# Altium PCB SOM_MCU_dual.PcbDoc (part 2 of 2)
Units mil, origin at the board's own origin, x right, y up, seen from the top; angles counter-clockwise.
Board outline 3385.83 x 1811.02 mil, 4 copper layers (Top Layer, Mid-Layer 1, Mid-Layer 3, Bottom Layer); 105 components, 124 nets, 1078 pads, 367 vias.
Unrouted connection lines stored in the file: 107.
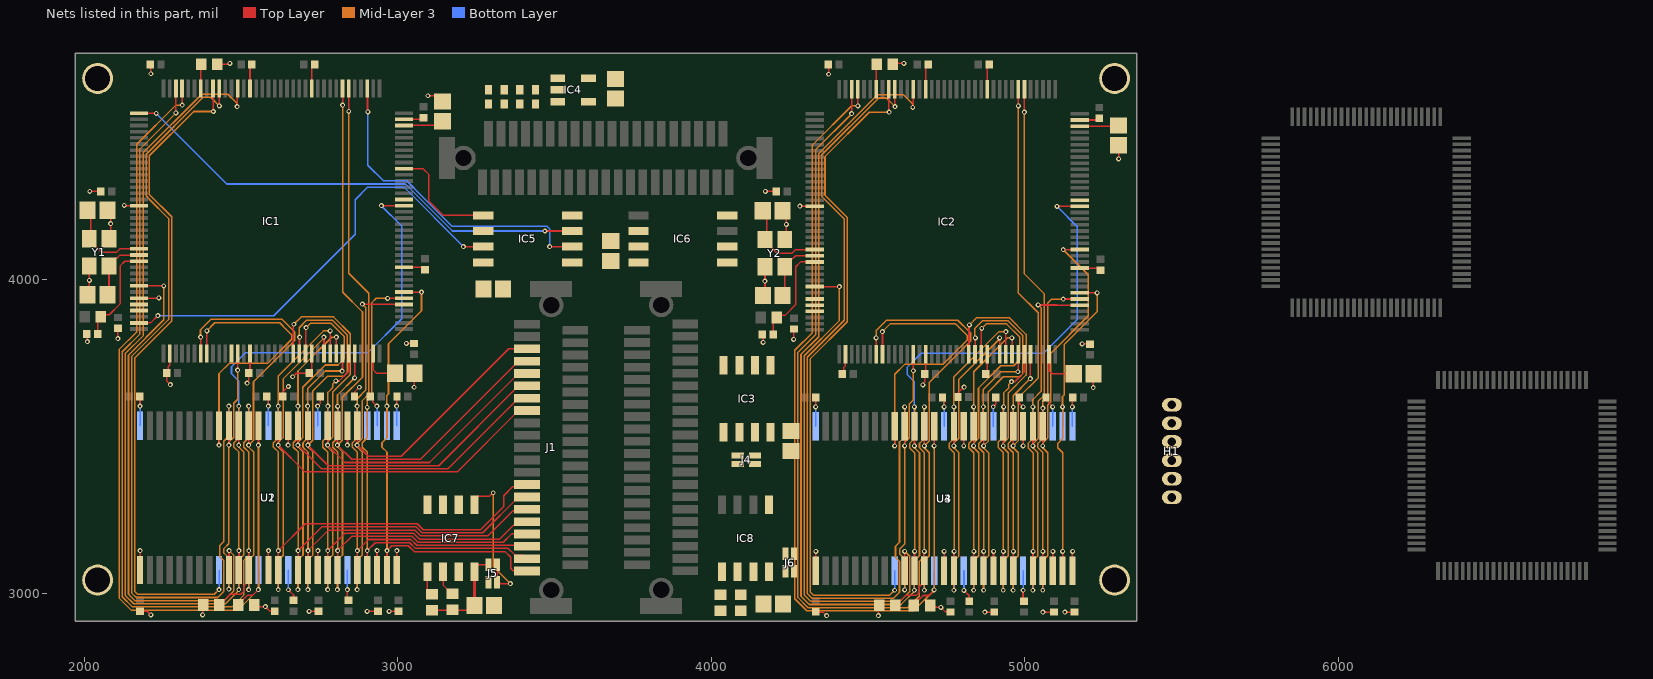
[diagram p3: the nets of this part, all layers, seen from the top]

## Via types
v1: diameter 15.75, hole 7.87, Top Layer to Bottom Layer, tented both sides, 210 vias
v2: diameter 15.75, hole 7.87, Top Layer to Bottom Layer, 157 vias

## Nets (pads, with @x,y where several pads share a name; then routed paths per layer and width w, separated by ;. In a path a pad name is that pad's centre, name@x,y a point inside that pad or via, vN(x,y) a via of type N, cw(c..) or ccw(c..) an arc to the next point about the centre after c; other vN are vias at no path point) (continued)
D1_1: IC2.86 U3.4 U4.4 | length 1368.9
  Top Layer w5: v1@5058.33,3469.93 U3.4@5058.33,3531.83 ; v2@5123.68,4095.63 IC2.86@5175.96,4095.63
  Mid-Layer 3 w5: v1(5058.08,3009.05) 5058.08,3102.74 5074.2,3118.86 5074.2,3447.6 5058.08,3463.72 v1(5058.08,3469.68) 5058.08,3478.6 5074.2,3494.72 5074.2,3600.23 5083.37,3609.39 5083.37,3764.37 5203.37,3884.37 5203.37,4015.47 v2(5123.44,4095.39)
  Bottom Layer w5: v1@5058.33,3009.3 U4.4@5058.33,3071.14
D2: IC1.114 J1.37 U1.5 U2.5 | length 2475.4
  Top Layer w5: v2@2843.98,4536.77 IC1.114@2843.98,4609.37 ; v1@2871.38,3472.17 2871.13,3472.42 2871.13,3533.77 U1.5@2871.38,3534.02 ; v1@2871.87,3472.17 2871.87,3471.19 2906.51,3436.55 3011.77,3436.55 3354.83,3779.61 J1.37@3412.91,3779.61
  Mid-Layer 3 w5: v2(2844.06,4536.69) 2844.06,4020.47 2907.91,3956.61 2907.91,3634.13 2887.75,3613.96 2887.75,3494.24 2871.13,3477.63 v1(2871.13,3471.93) 2871.13,3465.96 2887.26,3449.84 2887.26,3121.1 2871.13,3104.98 v1(2871.13,3011.3)
  Bottom Layer w5: v1@2871.38,3011.54 U2.5@2871.38,3073.39
D3: IC1.115 J1.35 U1.7 U2.7 | length 2546.4
  Top Layer w5: U1.7@2808.14,3533.28 2808.14,3472.91 v1@2808.88,3472.17 ; v1@2808.39,3471.68 2853.51,3426.55 3072.85,3426.55 3385.91,3739.61 J1.35@3412.91,3739.61 ; v2@2824.45,4556.93 IC1.115@2824.45,4609.21
  Mid-Layer 3 w5: v1(2808.14,3011.3) 2808.14,3104.98 2824.26,3121.1 2824.26,3449.84 2808.14,3465.96 v1(2808.14,3471.93) 2823.76,3487.55 2823.76,3624.54 2887.91,3688.69 2887.91,3896.61 2824.69,3959.84 v2(2824.69,4556.69)
  Bottom Layer w5: v1@2808.39,3011.54 U2.7@2808.39,3073.39
D4: IC1.58 J1.33 U1.8 U2.8 | length 2066.4
  Top Layer w5: IC1.58@2666.97,3763.7 2667.36,3764.09 2667.36,3856.06 v2(2668.78,3857.49) ; v1(2776.64,3471.93) 2832.02,3416.55 3101.85,3416.55 3385.91,3700.61 J1.33@3412.91,3700.61 ; U1.8@2776.64,3533.28 2776.64,3472.91 v1@2777.38,3472.17
  Mid-Layer 3 w5: v2(2668.78,3857.49) 2692.23,3880.93 2795.5,3880.93 2849.28,3827.15 2849.28,3697.63 2793.02,3641.36 2793.02,3498.08 2776.64,3481.71 v1(2776.64,3471.93) 2776.64,3465.96 2792.77,3449.84 2792.77,3121.1 2776.64,3104.98 v1(2776.64,3011.3)
  Bottom Layer w5: v1@2776.89,3011.54 U2.8@2776.89,3073.39
D5: IC1.59 J1.31 U1.10 U2.10 | length 2130.3
  Top Layer w5: IC1.59@2686.5,3763.86 2687.07,3764.43 2687.07,3815.81 v2(2687.64,3816.38) ; U1.10@2713.9,3534.02 2713.65,3533.77 v1(2713.65,3471.93) 2779.03,3406.55 3130.85,3406.55 3385.91,3661.61 J1.31@3412.91,3661.61
  Mid-Layer 3 w5: v2(2687.64,3816.38) 2686.26,3817.76 2686.26,3846.7 2710.49,3870.93 2791.36,3870.93 2839.28,3823.01 2839.28,3702.58 2828.83,3692.13 2776.91,3692.13 2729.36,3644.58 2729.36,3487.64 v1(2713.65,3471.93) 2713.65,3465.96 2729.77,3449.84 2729.77,3121.1 2713.65,3104.98 v1(2713.65,3011.3)
  Bottom Layer w5: v1@2713.9,3011.54 U2.10@2713.9,3073.39
D6: IC1.60 J1.29 U1.11 U2.11 | length 2113.3
  Top Layer w5: U1.11@2682.4,3534.02 2682.16,3533.77 v1(2682.16,3471.93) 2757.53,3396.55 3160.85,3396.55 3385.91,3621.61 J1.29@3412.91,3621.61 ; IC1.60@2706.34,3763.7 2707.05,3764.41 2707.05,3845.75 v2(2707.91,3846.61)
  Mid-Layer 3 w5: v1(2682.16,3011.3) 2682.16,3104.98 2698.28,3121.1 2698.28,3449.84 2682.16,3465.96 v1(2682.16,3471.93) 2682.16,3480.84 2697.53,3496.21 2697.53,3656.23 2768.85,3727.56 2809.76,3727.56 2829.28,3747.08 2829.28,3818.87 2787.21,3860.93 2722.23,3860.93 v2(2707.91,3846.61)
  Bottom Layer w5: v1@2682.4,3011.54 U2.11@2682.4,3073.39
D7: IC1.63 J1.27 U1.13 U2.13 | length 1965.4
  Top Layer w5: v1(2619.16,3471.93) 2704.54,3386.55 3189.85,3386.55 3385.91,3582.61 J1.27@3412.91,3582.61 ; v1@2619.41,3471.93 2619.16,3472.17 2619.16,3533.77 U1.13@2619.41,3534.02 ; IC1.63@2765.24,3763.86 v2@2765.24,3816.14
  Mid-Layer 3 w5: v1(2619.16,3011.3) 2619.16,3104.98 2635.03,3120.85 2635.03,3450.1 2619.16,3465.96 v1(2619.16,3471.93) 2619.16,3480.84 2634.54,3496.21 2634.54,3683.24 2765,3813.7 v2(2765,3816.38)
  Bottom Layer w5: v1@2619.41,3011.54 U2.13@2619.41,3073.39
D8: IC1.64 J1.15 U1.42 U2.42 | length 1909.1
  Top Layer w5: U1.42@2619.41,3073.39 2619.65,3073.63 2619.65,3134.98 v1@2619.41,3135.23 ; v1(2619.65,3135.47) 2705.66,3221.48 3062.58,3221.48 3081.77,3202.29 3264.65,3202.29 3338.36,3276 3338.36,3310.74 3367.34,3339.73 3406.03,3339.73 J1.15@3412.91,3346.61 ; IC1.64@2785.08,3763.7 v2@2785.08,3836.3
  Mid-Layer 3 w5: v1(2619.65,3135.47) 2619.65,3449.7 2603.79,3465.56 2603.79,3479.61 2619.65,3495.47 2619.65,3595.61 v1(2619.16,3596.1) 2619.16,3692.28 2763.26,3836.38 v2(2785,3836.38)
  Bottom Layer w5: U2.42@2619.41,3534.02 v1@2619.41,3595.86
D9: IC1.65 J1.13 U1.44 U2.44 | length 1746.4
  Top Layer w5: U1.44@2682.4,3073.39 2682.65,3073.63 2682.65,3134.98 v1@2682.4,3135.23 ; v1(2682.65,3135.47) 2758.65,3211.48 3058.44,3211.48 3077.63,3192.29 3271.58,3192.29 3385.91,3306.61 J1.13@3412.91,3306.61 ; IC1.65@2804.61,3763.86 v2@2804.61,3816.14
  Mid-Layer 3 w5: v1(2682.65,3135.47) 2682.65,3449.7 2666.78,3465.56 2666.78,3479.61 2682.65,3495.47 2682.65,3595.61 v1(2682.16,3596.1) 2682.16,3708.35 2790.18,3816.38 v2(2804.37,3816.38)
  Bottom Layer w5: U2.44@2682.4,3534.02 v1@2682.4,3595.86
D10: IC1.66 J1.11 U1.45 U2.45 | length 1612.6
  Top Layer w5: U1.45@2713.9,3073.39 2714.14,3073.63 2714.14,3134.98 v1@2713.9,3135.23 ; v1(2714.14,3135.47) 2779.52,3200.85 3054.93,3200.85 3073.49,3182.29 3287.52,3182.29 3367.34,3262.1 3407.4,3262.1 J1.11@3412.91,3267.61 ; v2(2823.27,3708.32) 2824.19,3709.23 IC1.66@2824.19,3763.94
  Mid-Layer 3 w5: v1(2714.14,3135.47) 2714.14,3449.7 2698.28,3465.56 2698.28,3479.61 2712.91,3494.24 v1(2712.91,3596.61) 2712.91,3651.61 2769.61,3708.32 v2(2823.27,3708.32)
  Bottom Layer w5: v1(2712.91,3596.61) 2712.91,3535 U2.45@2713.9,3534.02
D11: IC1.67 J1.9 U1.47 U2.47 | length 1489.1
  Top Layer w5: U1.47@2776.89,3073.39 2777.14,3073.63 2777.14,3134.98 v1@2776.89,3135.23 ; v1(2777.14,3135.47) 2832.51,3190.85 3050.78,3190.85 3069.34,3172.29 3326.21,3172.29 3370.04,3216.11 3401.41,3216.11 J1.9@3412.91,3227.61 ; v2(2802.91,3676.61) 2813.31,3676.61 2843.98,3707.28 IC1.67@2843.98,3763.86
  Mid-Layer 3 w5: v1(2777.14,3135.47) 2777.14,3449.7 2761.27,3465.56 2761.27,3484.88 2777.14,3500.75 2777.14,3595.58 v1(2777.64,3596.08) 2777.64,3640.13 2793.44,3655.93 2793.44,3667.14 v2(2802.91,3676.61)
  Bottom Layer w5: U2.47@2776.89,3534.02 2777.64,3534.77 v1(2777.64,3596.08)
D12: IC1.68 J1.7 U1.48 U2.48 | length 1429.8
  Top Layer w5: U1.48@2808.39,3073.39 2808.63,3073.63 2808.63,3134.98 v1@2808.39,3135.23 ; v1(2808.63,3135.47) 2854,3180.85 3046.64,3180.85 3065.2,3162.29 3337.29,3162.29 3363.61,3188.61 J1.7@3412.91,3188.61 ; v2(2862.91,3686.61) 2863.29,3686.99 2863.29,3763.17 IC1.68@2863.54,3763.42
  Mid-Layer 3 w5: v1(2808.63,3135.47) 2808.63,3449.7 2792.77,3465.56 2792.77,3479.61 2808.63,3495.47 2808.63,3595.61 v1(2808.39,3595.85) 2808.14,3596.1 2808.14,3631.84 v2(2862.91,3686.61)
  Bottom Layer w5: U2.48@2808.39,3534.02 v1(2808.39,3595.85)
D13: IC1.77 J1.5 U1.50 U2.50 | length 1636.3
  Top Layer w5: U1.50@2871.62,3073.63 2871.62,3135.72 2871.87,3135.72 2907,3170.85 3042.5,3170.85 3061.06,3152.29 3410.24,3152.29 J1.5@3412.91,3149.61 ; v2(2887.91,3921.61) 2888.33,3921.2 2947.58,3921.2 2947.99,3920.79 ; 2948.07,3920.87 IC1.77@3020.67,3920.87
  Mid-Layer 3 w5: v1(2871.62,3135.47) 2871.62,3449.7 2855.76,3465.56 2855.76,3479.61 2871.62,3495.47 2871.62,3595.61 v1(2871.13,3596.1) 2871.13,3619.84 2897.91,3646.61 2897.91,3911.61 v2(2887.91,3921.61)
  Bottom Layer w5: U2.50@2871.38,3534.02 v1@2871.38,3595.86
D14: IC1.78 J1.3 U1.51 U2.51 | length 1623.3
  Top Layer w5: U1.51@2903.12,3073.63 v1(2903.12,3135.47) 2928.49,3160.85 3038.36,3160.85 3056.92,3142.29 3353.24,3142.29 J1.3@3374.41,3121.11 ; v2@2968.23,3940.39 IC1.78@3020.51,3940.39 ; J1.3@3374.41,3121.11 3385.91,3109.61 J1.3@3412.91,3109.61 3401.41,3121.11 J1.3@3374.41,3121.11
  Mid-Layer 3 w5: v1(2903.12,3135.47) 2903.12,3449.7 2887.26,3465.56 2887.26,3479.61 2903.12,3495.47 v1(2903.12,3592.2) 2903.12,3615.19 2917.91,3629.99 2917.91,3926.61 2931.46,3940.16 v2(2967.99,3940.16)
  Bottom Layer w5: U2.51@2902.87,3534.02 2903.12,3534.26 v1(2903.12,3592.2)
D15: IC1.79 J1.1 U1.53 U2.53 | length 1569.8
  Top Layer w5: U1.53@2965.87,3073.39 2966.11,3073.63 v1(2966.11,3135.47) ; v1@2966.36,3135.72 2981.49,3150.85 3034.21,3150.85 3052.77,3132.29 3342.46,3132.29 3360.76,3113.98 3360.76,3078.95 3369.1,3070.61 J1.1@3412.91,3070.61 ; IC1.79@3020.67,3960.24 3020.86,3960.05 3075.97,3960.05 v2(3076.15,3959.86)
  Mid-Layer 3 w5: v1(2966.11,3135.47) 2966.11,3449.7 2950.25,3465.56 2950.25,3479.61 2966.11,3495.47 2966.11,3595.61 v1(2965.62,3596.1) 2965.62,3629.32 2971.01,3634.71 2971.01,3795.57 3076.15,3900.71 v2(3076.15,3959.86)
  Bottom Layer w5: U2.53@2965.87,3534.02 v1@2965.87,3595.86
D21: IC2.114 U3.5 U4.5 | length 1776.7
  Top Layer w5: v2@4999.43,4534.53 IC2.114@4999.43,4607.13 ; v1@5026.83,3469.93 U3.5@5026.83,3531.83
  Mid-Layer 3 w5: v2(4999.51,4534.45) 4999.51,4018.23 5063.37,3954.37 5063.37,3631.89 5043.2,3611.72 5043.2,3492 5026.59,3475.38 v1(5026.59,3469.68) 5026.59,3463.72 5042.71,3447.6 5042.71,3118.86 5026.59,3102.74 v1(5026.59,3009.05)
  Bottom Layer w5: v1@5026.83,3009.3 U4.5@5026.83,3071.14
D31: IC2.115 U3.7 U4.7 | length 1794
  Top Layer w5: v1@4963.84,3469.93 U3.7@4963.84,3531.83 ; v2@4979.9,4554.69 IC2.115@4979.9,4606.97
  Mid-Layer 3 w5: v1(4963.59,3009.05) 4963.59,3102.74 4979.72,3118.86 4979.72,3447.6 4963.59,3463.72 v1(4963.59,3469.68) 4979.22,3485.31 4979.22,3622.3 5043.37,3686.45 5043.37,3894.37 4980.14,3957.6 v2(4980.14,4554.45)
  Bottom Layer w5: v1@4963.84,3009.3 U4.7@4963.84,3071.14
D41: IC2.58 U3.8 U4.8 | length 1290
  Top Layer w5: IC2.58@4822.42,3761.46 4822.81,3761.85 4822.81,3853.82 v2(4824.24,3855.24) ; v1@4932.34,3469.93 U3.8@4932.34,3531.83
  Mid-Layer 3 w5: v2(4824.24,3855.24) 4847.69,3878.69 4950.95,3878.69 5004.73,3824.91 5004.73,3695.38 4948.47,3639.12 4948.47,3495.83 4932.1,3479.46 v1(4932.1,3469.68) 4932.1,3463.72 4948.22,3447.6 4948.22,3118.86 4932.1,3102.74 v1(4932.1,3009.05)
  Bottom Layer w5: v1@4932.34,3009.3 U4.8@4932.34,3071.14
D51: IC2.59 U3.10 U4.10 | length 1298
  Top Layer w5: IC2.59@4841.95,3761.61 4842.52,3762.19 4842.52,3813.56 v2(4843.09,3814.13) ; v1@4869.35,3469.93 U3.10@4869.35,3531.83
  Mid-Layer 3 w5: v2(4843.09,3814.13) 4841.71,3815.51 4841.71,3844.46 4865.94,3868.69 4946.81,3868.69 4994.73,3820.77 4994.73,3700.34 4984.28,3689.88 4932.36,3689.88 4884.81,3642.34 4884.81,3485.39 v1(4869.1,3469.68) 4869.1,3463.72 4885.23,3447.6 4885.23,3118.86 4869.1,3102.74 v1(4869.1,3009.05)
  Bottom Layer w5: v1@4869.35,3009.3 U4.10@4869.35,3071.14
D61: IC2.60 U3.11 U4.11 | length 1257.8
  Top Layer w5: v1@4837.85,3469.93 U3.11@4837.85,3531.83 ; IC2.60@4861.79,3761.46 4862.5,3762.17 4862.5,3843.5 v2(4863.37,3844.37)
  Mid-Layer 3 w5: v1(4837.61,3009.05) 4837.61,3102.74 4853.73,3118.86 4853.73,3447.6 4837.61,3463.72 v1(4837.61,3469.68) 4837.61,3478.6 4852.98,3493.97 4852.98,3653.99 4924.31,3725.31 4965.21,3725.31 4984.73,3744.83 4984.73,3816.63 4942.67,3858.69 4877.69,3858.69 v2(4863.37,3844.37)
  Bottom Layer w5: v1@4837.85,3009.3 U4.11@4837.85,3071.14
D71: IC2.63 U3.13 U4.13 | length 1054.6
  Top Layer w5: v1@4774.86,3469.93 U3.13@4774.86,3531.83 ; IC2.63@4920.75,3761.61 v2@4920.69,3813.9
  Mid-Layer 3 w5: v1(4774.62,3009.05) 4774.62,3102.74 4790.48,3118.6 4790.48,3447.85 4774.62,3463.72 v1(4774.62,3469.68) 4774.62,3478.6 4789.99,3493.97 4789.99,3680.99 4920.45,3811.46 v2(4920.45,3814.13)
  Bottom Layer w5: v1@4774.86,3009.3 U4.13@4774.86,3071.14
D81: IC2.64 U3.42 U4.42 | length 992
  Top Layer w5: U3.42@4774.86,3071.14 v1@4774.86,3132.98 ; IC2.64@4940.53,3761.46 v2(4940.45,3834.13)
  Mid-Layer 3 w5: v1(4775.11,3133.23) 4775.11,3447.45 4759.24,3463.32 4759.24,3477.36 4775.11,3493.23 4775.11,3593.37 v1(4774.62,3593.86) 4774.62,3690.04 4918.71,3834.13 v2(4940.45,3834.13)
  Bottom Layer w5: U4.42@4774.86,3531.83 v1@4774.86,3593.61
D91: IC2.65 U3.44 U4.44 | length 929.2
  Top Layer w5: U3.44@4837.85,3071.14 v1@4837.85,3132.98 ; IC2.65@4960.12,3761.61 v2@4960.06,3813.9
  Mid-Layer 3 w5: v1(4838.1,3133.23) 4838.1,3447.45 4822.23,3463.32 4822.23,3477.36 4838.1,3493.23 4838.1,3593.37 v1(4837.61,3593.86) 4837.61,3706.11 4945.63,3814.13 v2(4959.82,3814.13)
  Bottom Layer w5: U4.44@4837.85,3531.83 v1@4837.85,3593.61
D101: IC2.66 U3.45 U4.45 | length 843.5
  Top Layer w5: U3.45@4869.35,3071.14 v1@4869.35,3132.98 ; v2(4978.72,3706.07) 4979.64,3706.99 IC2.66@4979.64,3761.7
  Mid-Layer 3 w5: v1(4869.59,3133.23) 4869.59,3447.45 4853.73,3463.32 4853.73,3477.36 4868.37,3492 v1(4868.37,3594.37) 4868.37,3649.37 4925.07,3706.07 v2(4978.72,3706.07)
  Bottom Layer w5: v1(4868.37,3594.37) 4868.37,3532.76 U4.45@4869.35,3531.83
D111: IC2.67 U3.47 U4.47 | length 799.5
  Top Layer w5: U3.47@4932.34,3071.14 v1@4932.34,3132.98 ; v2(4958.37,3674.37) 4968.76,3674.37 4999.43,3705.03 IC2.67@4999.43,3761.61
  Mid-Layer 3 w5: v1(4932.59,3133.23) 4932.59,3447.45 4916.72,3463.32 4916.72,3482.64 4932.59,3498.5 4932.59,3593.33 v1(4933.09,3593.84) 4933.09,3637.89 4948.89,3653.69 4948.89,3664.9 v2(4958.37,3674.37)
  Bottom Layer w5: U4.47@4932.34,3531.83 4933.09,3532.52 v1(4933.09,3593.84)
D121: IC2.68 U3.48 U4.48 | length 787.9
  Top Layer w5: U3.48@4963.84,3071.14 v1@4963.84,3132.98 ; v2(5018.37,3684.37) 5018.74,3684.74 5018.74,3760.93 IC2.68@5018.99,3761.18
  Mid-Layer 3 w5: v1(4964.08,3133.23) 4964.08,3447.45 4948.22,3463.32 4948.22,3477.36 4964.08,3493.23 4964.08,3593.37 v1(4963.84,3593.61) 4963.59,3593.86 4963.59,3629.6 v2(5018.37,3684.37)
  Bottom Layer w5: U4.48@4963.84,3531.83 v1(4963.84,3593.61)
D131: IC2.77 U3.50 U4.50 | length 1071.4
  Top Layer w5: U3.50@5026.83,3071.14 v1@5026.83,3132.98 ; v2(5043.37,3919.37) 5043.78,3918.96 5103.03,3918.96 5103.44,3918.54 ; 5103.52,3918.62 IC2.77@5176.12,3918.62
  Mid-Layer 3 w5: v1(5027.08,3133.23) 5027.08,3447.45 5011.21,3463.32 5011.21,3477.36 5027.08,3493.23 5027.08,3593.37 v1(5026.59,3593.86) 5026.59,3617.59 5053.37,3644.37 5053.37,3909.37 v2(5043.37,3919.37)
  Bottom Layer w5: U4.50@5026.83,3531.83 v1@5026.83,3593.61
D141: IC2.78 U3.51 U4.51 | length 1038.5
  Top Layer w5: U3.51@5058.33,3071.14 v1@5058.33,3132.98 ; v2@5123.68,3938.15 IC2.78@5175.96,3938.15
  Mid-Layer 3 w5: v1(5058.57,3133.23) 5058.57,3447.45 5042.71,3463.32 5042.71,3477.36 5058.57,3493.23 v1(5058.57,3589.96) 5058.57,3612.95 5073.37,3627.74 5073.37,3924.37 5086.91,3937.91 v2(5123.44,3937.91)
  Bottom Layer w5: U4.51@5058.33,3531.83 5058.57,3532.02 v1(5058.57,3589.96)
D151: IC2.79 U3.53 U4.53 | length 1062.8
  Top Layer w5: U3.53@5121.32,3071.2 v1@5121.32,3132.98 ; IC2.79@5176.12,3957.99 5176.31,3957.8 5231.42,3957.8 v2(5231.61,3957.61)
  Mid-Layer 3 w5: v1(5121.56,3133.23) 5121.56,3447.45 5105.7,3463.32 5105.7,3477.36 5121.56,3493.23 5121.56,3593.37 v1(5121.07,3593.86) 5121.07,3627.08 5126.46,3632.47 5126.46,3793.33 5231.61,3898.47 v2(5231.61,3957.61)
  Bottom Layer w5: U4.53@5121.32,3531.83 v1@5121.32,3593.61
EEPROM_SCL: IC7.6 IC8.6 R13.1 R15.1 | length 84.4
  Top Layer w5: IC7.6@3145,3068.23 3145,3025.43 3173.03,2997.4 R13.1@3175,2997.4
EEPROM_SDA: IC7.5 IC8.5 R14.1 R16.1 | length 78.7
  Top Layer w5: IC7.5@3095,3068.23 3095,3010.41 3109.23,2996.18 R14.1@3110,2996.18
FLASH_CLK: IC1.48 IC5.6 IC6.6
FLASH_CS: IC5.1 IC6.1
FLASH_D0: IC1.99 IC5.5 | length 364.1
  Top Layer w5: IC1.99@3020.67,4353.94 3081.06,4353.94 3100,4335 3100,4250 3145,4205 IC5.5@3273.27,4205
FLASH_D1: IC1.111 IC5.2 IC6.2 | length 1038.8
  Top Layer w5: IC1.111@2903.03,4609.37 2904.02,4608.39 2904.02,4535.98 v2(2905,4535) ; v2(3485,4105) IC5.2@3556.73,4105
  Bottom Layer w5: v2(2905,4535) 2905,4365 2955,4315 3029.14,4315 3079.57,4264.57 3174.57,4169.57 3325.07,4169.57 3325.87,4170.37 3476.37,4170.37 3485.37,4161.37 3485.37,4105.37 v2(3485,4105)
FLASH_D2: IC1.1 IC5.3 | length 1537.4
  Top Layer w5: IC1.1@2175.16,4531.1 2228.9,4531.1 v2(2230,4530) ; v2(3470,4155) IC5.3@3556.73,4155
  Bottom Layer w5: v2(2230,4530) 2455,4305 3025,4305 3175,4155 v2(3470,4155)
FLASH_D3: IC1.35 IC5.7 IC6.7 | length 1420.7
  Top Layer w5: IC1.35@2175.16,3861.81 2211.81,3861.81 v2(2235,3885) ; v2(3210,4105) IC5.7@3273.27,4105
  Bottom Layer w5: v2(2235,3885) 2605,3885 2865,4145 2865,4255 2905,4295 3020,4295 v2(3210,4105)
GND: C1.2 C2.2 C3.1 C4.1 C5.1 C6.1 C7.1 C8.1 C9.1 C10.1 C11.2 C12.2 C13.2 C14.2 C15.2 C16.2 C17.2 C18.2 C19.2 C20.2 C21.2 C22.2 C23.2 C24.2 C25.2 C26.2 C27.2 C28.2 C29.2 C30.2 C31.2 C32.2 C33.2 C34.2 C35.2 C36.2 C37.2 C38.2 C39.2 C40.2 C41.2 C42.2 C43.2 C44.2 C45.2 C46.2 C47.2 C48.2 C49.2 C50.2 C51.2 C52.2 C53.2 C54.2 C55.2 C56.2 C57.2 C58.2 C59.2 C60.2 C61.1 C62.1 C63.1 C64.1 C65.1 C66.1 H1.5 H1.6 IC1.16 IC1.31 IC1.38 IC1.51 IC1.61 IC1.83 IC1.94 IC1.107 IC1.120 IC1.130 IC2.16 IC2.31 IC2.38 IC2.51 IC2.61 IC2.83 IC2.94 IC2.107 IC2.120 IC2.130 IC3.4 IC4.1 IC4.3 IC5.4 IC6.4 IC7.7 IC8.7 J4.4 J5.3 J6.3 pad.7 R1.2 R2.2 R7.1 R9.1 R10.1 R12.1 U1.6 U1.12 U1.28 U1.41 U1.46 U1.52 U1.54 U2.6 U2.12 U2.28 U2.41 U2.46 U2.52 U2.54 U3.6 U3.12 U3.28 U3.41 U3.46 U3.52 U3.54 U4.6 U4.12 U4.28 U4.41 U4.46 U4.52 U4.54 Y1.2 Y1.4 Y2.2 Y2.4 | length 5617.4
  Top Layer w5: C7.1@2008.27,3826.61 2010.59,3824.29 v2(2010.59,3801.99) ; C5.1@2016.42,3951.61 v2(2016.42,3997.46) Y1.2@2016.42,4043.31 ; v2(2017.91,4281.61) C12.2@2053.27,4281.61 ; Y1.4@2079.41,4129.92 2084.41,4134.92 v2(2084.41,4178.27) C3.1@2084.41,4221.61 ; v2(2107.91,3811.61) 2107.91,3844.12 C13.2@2108.36,3844.57 ; v2(2127.91,4236.61) 2128.7,4235.83 IC1.16@2175.16,4235.83 ; U1.28@2170.96,3091.26 U1.28@2178.46,3083.76 ; IC1.31@2175.16,3940.55 2175.69,3941.08 2238.02,3941.08 v2(2238.55,3941.61) ; C33.2@2177.91,2941.97 2178.27,2941.61 2201.52,2941.61 v2(2212.78,2930.35) ; C40.2@2177.91,3626.61 2178.22,3626.31 v1(2178.22,3596.1) ; v1@2178.46,3135.23 U1.28@2178.46,3083.76 ; C11.2@2210.59,4686.61 2212.91,4684.29 v2(2212.91,4656.61) ; IC1.38@2273.11,3763.86 2273.11,3726.81 2267.91,3721.61 2267.91,3706.26 C21.2@2263.27,3701.61 2263.27,3676.73 v2(2275,3665) ; v2@2377.91,2926.61 v2(2377.91,2930.35) 2377.91,2958.98 R10.1@2380.55,2961.61 ; R1.2@2424.09,4686.61 2461.61,4686.61 v2(2465,4690) ; v2(2520,3670) 2520,3672.91 2525.59,3678.5 C20.2@2525.59,3701.61 2529.02,3705.04 IC1.51@2529.02,3763.86 ; IC1.130@2529.02,4609.37 2529.02,4693.07 C14.2@2532.56,4696.61 ; R7.1@2542.91,2961.61 2547.91,2956.61 v2(2577.91,2956.61) 2592.56,2941.97 C34.2@2607.91,2941.97 ; C41.2@2582.91,3626.61 2587.67,3621.86 v1(2587.67,3596.1) ; U1.41@2587.91,3073.39 v1@2587.91,3135.23 ; C46.2@2633.27,3626.61 2633.27,3641.71 2650.55,3658.99 v2(2651.64,3658.99) ; v1@2650.91,3472.17 U1.12@2650.91,3534.02 ; v1(2651.31,3010.65) 2667.91,2994.04 C35.2@2667.91,2976.61 ; v2(2665,3690) 2676.61,3701.61 C19.2@2718.17,3701.61 ; v2(2717.91,2941.61) 2747.56,2941.61 C36.2@2747.91,2941.97 ; C19.2@2720.59,3701.61 2725.87,3706.89 IC1.61@2725.87,3763.86 ; IC1.120@2725.87,4609.37 2725.87,4689.92 C15.2@2732.56,4696.61 ; v1(2744.74,3596.61) 2752.91,3604.79 C42.2@2752.91,3626.61 ; U1.46@2745.39,3073.39 v1@2745.39,3135.23 ; v1(2839.64,3011.3) 2839.64,2979.89 C37.2@2842.91,2976.61 ; v1(2839.64,3471.93) U1.6@2839.64,3533.77 ; v1@2839.88,3472.17 U1.6@2839.88,3534.02 ; v1@2840.13,3472.42 U1.6@2840.13,3534.26 ; v1@2840.37,3472.17 U1.6@2840.37,3569.01 ; C43.2@2862.56,3626.61 2862.56,3641.26 v2(2877.91,3656.61) ; v2(2902.91,2941.61) 2937.56,2941.61 C38.2@2937.91,2941.97 ; C44.2@2912.91,3626.61 2920.77,3618.76 2920.77,3609.46 v1(2934.13,3596.1) ; U1.52@2934.13,3073.2 v1@2934.13,3135.47 ; U1.52@2934.37,3073.39 v1@2934.37,3135.23 ; U1.52@2934.62,3073.63 v1(2934.62,3135.47) ; U1.52@2934.86,3038.38 v1@2934.86,3135.23 ; v2(2972.91,2941.61) 3002.95,2941.61 C39.2@3003.31,2941.97 ; v1(2997.12,3596.1) 2997.12,3625.82 C45.2@2997.91,3626.61 ; U1.54@2997.36,3073.39 v1@2997.36,3135.23 ; IC1.83@3020.67,4038.98 3080.91,4038.98 C17.2@3087.91,4031.97 ; IC1.107@3020.67,4511.42 3077.72,4511.42 C16.2@3082.91,4516.61 ; v2(3028.29,3796.61) 3052.56,3796.61 C18.2@3052.91,3796.26 ; v2(3052.91,3656.61) 3052.91,3700.12 C9.1@3054.41,3701.61 ; v2(3096.86,4586.39) 3124.63,4586.39 C1.2@3142.91,4568.11 ; C8.1@4163.78,3824.37 4166.1,3822.05 v2(4166.1,3799.74) ; C6.1@4171.93,3949.37 v2(4171.93,3995.22) Y2.2@4171.93,4041.06 ; v2(4172.91,4281.61) C23.2@4208.27,4281.61 ; Y2.4@4234.92,4127.68 4239.92,4132.68 v2(4239.92,4176.02) C4.1@4239.92,4219.37 ; v2(4263.43,3809.37) C22.2@4263.43,3841.88 ; v2(4283.43,4234.37) 4329.88,4234.37 IC2.16@4330.67,4233.58 ; U3.28@4326.42,3089.02 U3.28@4333.92,3081.52 ; C47.2@4333.37,2939.72 4333.72,2939.37 4356.98,2939.37 v2(4368.24,2928.11) ; C60.2@4333.43,3624.37 4333.67,3624.06 v1(4333.67,3593.86) ; v1@4333.92,3132.98 U3.28@4333.92,3081.52 ; C24.2@4373.27,4686.61 4375,4684.88 v2(4375,4655) ; C29.2@4418.78,3699.37 4423.43,3704.02 4423.43,3719.37 4428.62,3724.57 IC2.38@4428.62,3761.61 ; v2@4533.37,2924.37 v2(4533.37,2928.11) 4533.37,2956.73 R12.1@4536,2959.37 ; R2.2@4579.09,4686.61 4582.48,4690 v2(4615,4690) ; v2@4675.51,3667.28 4681.1,3672.87 C30.2@4681.1,3695.98 ; C30.2@4681.1,3699.37 4684.53,3702.8 IC2.51@4684.53,3761.61 ; IC2.130@4684.53,4607.13 4684.53,4678.58 C25.2@4692.56,4686.61 ; R9.1@4698.37,2959.37 4703.37,2954.37 v2(4733.37,2954.37) 4748.01,2939.72 C48.2@4763.43,2939.72 ; C59.2@4738.37,3624.37 4743.12,3619.62 v1(4743.12,3593.86) ; U3.41@4743.37,3071.14 v1@4743.37,3132.98 ; C58.2@4788.72,3624.37 4788.72,3639.47 4806,3656.75 v2(4807.09,3656.75) ; v1@4806.36,3469.93 U3.12@4806.36,3531.83 ; v1(4806.76,3008.41) 4823.37,2991.8 C49.2@4823.43,2974.37 ; v2(4873.37,2939.37) 4903.01,2939.37 C50.2@4903.43,2939.72 ; C31.2@4876.1,3699.37 4881.38,3704.65 IC2.61@4881.38,3761.61 ; IC2.120@4881.38,4607.13 4881.38,4680.43 C26.2@4887.56,4686.61 ; v1(4900.19,3594.37) 4908.37,3602.55 C57.2@4908.43,3624.37 ; U3.46@4900.85,3071.14 v1@4900.85,3132.98 ; C56.2@4983.43,3624.37 4983.37,3605.58 v1(4995.09,3593.86) ; v1(4995.09,3009.05) 4995.09,2977.65 C51.2@4998.43,2974.37 ; v1@4995.33,3469.93 U3.6@4995.33,3531.83 ; v2(5058.37,2939.37) 5093.01,2939.37 C52.2@5093.43,2939.72 ; C55.2@5068.43,3624.37 5076.22,3616.51 5076.22,3607.21 v1(5089.58,3593.86) ; U3.52@5089.82,3071.14 v1@5089.82,3132.98 ; v2(5128.37,2939.37) 5158.41,2939.37 C53.2@5158.82,2939.72 ; v1(5152.57,3593.86) 5152.57,3623.57 C54.2@5153.43,3624.37 ; U3.54@5152.81,3071.14 v1@5152.81,3132.98 ; IC2.83@5176.18,4036.73 C32.2@5236.42,4036.73 ; IC2.107@5176.18,4509.17 5233.23,4509.17 C27.2@5238.43,4514.37 ; v2(5183.8,3794.72) C28.2@5208.07,3794.72 ; v2(5219.17,3655.12) C10.1@5219.17,3698.62 ; v2(5300,4385) C2.2@5300,4428.5 ; U1.28@2178.46,3083.76 U1.28@2178.46,3073.39 U1.28@2178.46,3083.76 ; U3.28@4333.92,3081.52 4333.92,3071.14 U3.28@4333.92,3081.52
  Bottom Layer w5: U2.28@2178.46,3534.02 v1@2178.46,3595.86 ; U2.41@2587.91,3534.02 v1@2587.91,3595.86 ; U2.12@2650.91,3073.39 2651.31,3072.99 v1(2651.31,3010.65) ; v1(2744.74,3596.61) 2744.74,3534.67 U2.46@2745.39,3534.02 ; v1@2839.88,3011.54 U2.6@2839.88,3073.39 ; U2.52@2934.37,3534.02 v1@2934.37,3595.86 ; U2.54@2997.36,3534.02 v1@2997.36,3595.86 ; U4.28@4333.92,3531.83 v1@4333.92,3593.61 ; v1(4743.12,3593.86) 4743.12,3608.12 4745,3610 ; U4.41@4743.37,3531.83 v1@4743.37,3593.61 ; U4.12@4806.36,3071.14 4806.76,3070.74 v1(4806.76,3008.41) ; v1(4900.19,3594.37) 4900.19,3532.43 U4.46@4900.85,3531.83 ; v1@4995.33,3009.3 U4.6@4995.33,3071.14 ; U4.52@5089.82,3531.83 v1@5089.82,3593.61 ; U4.54@5152.81,3531.83 v1@5152.81,3593.61
  other v1: 4334.16,3133.23 4743.61,3133.23 4901.09,3133.23 5090.07,3133.23 5153.06,3133.23 2178.71,3135.47 2588.16,3135.47 2745.64,3135.47 2997.61,3135.47 4806.11,3469.68 4995.09,3469.68 2650.66,3471.93
  other v2: 4675.51,3664.37
LDQM: IC1.141 R7.2 U1.15 U2.15 | length 2940.7
  Top Layer w5: IC1.141@2312.48,4609.37 2312.7,4609.15 2312.7,4556.83 v2(2312.91,4556.61) ; R7.2@2491.73,2961.61 2491.73,2963.58 2521.68,2993.53 2538.4,2993.53 v1(2556.17,3011.3) ; v1(2556.17,3471.93) U1.15@2556.17,3533.77 ; v1@2556.42,3472.17 U1.15@2556.42,3534.02
  Mid-Layer 3 w5: v2(2312.91,4556.61) 2292.91,4556.61 2167.91,4431.61 2167.91,3833.07 2111.46,3776.61 2111.46,2984.04 2149.77,2945.73 2490.6,2945.73 v1(2556.17,3011.3) v1(2556.17,3471.93)
  Bottom Layer w5: v1@2556.42,3011.54 U2.15@2556.42,3073.39
LDQM1: IC2.141 R9.2 U3.15 U4.15 | length 2878.9
  Top Layer w5: IC2.141@4467.93,4607.13 4468.15,4606.91 4468.15,4554.59 v2(4468.37,4554.37) ; R9.2@4647.24,2960.35 4647.19,2962.32 4677.13,2992.27 4693.86,2992.27 v1(4711.62,3010.04) ; v1@4711.87,3469.93 U3.15@4711.87,3531.83
  Mid-Layer 3 w5: v2(4468.37,4554.37) 4448.37,4554.37 4323.37,4429.37 4323.37,3830.82 4266.91,3774.37 4266.91,2981.8 4305.22,2943.48 4646.06,2943.48 4711.62,3009.05 v1(4711.62,3469.68)
  Bottom Layer w5: v1@4711.87,3009.3 U4.15@4711.87,3071.14
NetC1_1: C1.1 IC1.106 | length 127.8
  Top Layer w5: IC1.106@3020.67,4491.73 3129.53,4491.73 C1.1@3142.91,4505.12
NetC2_1: C2.1 IC2.106 | length 127.8
  Top Layer w5: IC2.106@5176.18,4489.49 5285.04,4489.49 C2.1@5298.43,4502.87
NetC3_2: C3.2 IC1.23 Y1.1 | length 277.5
  Top Layer w5: C3.2@2021.42,4221.61 2021.42,4134.92 Y1.1@2016.42,4129.92 2016.42,4125.98 2055.79,4086.61 2102.91,4086.61 2114.33,4098.03 IC1.23@2175.16,4098.03
NetC4_2: C4.2 IC2.23 Y2.1 | length 277.5
  Top Layer w5: C4.2@4176.93,4219.37 4176.93,4132.68 Y2.1@4171.93,4127.68 4171.93,4123.74 4211.3,4084.37 4258.43,4084.37 4269.84,4095.79 IC2.23@4330.67,4095.79
NetC5_2: C5.2 IC1.24 Y1.3 | length 204.3
  Top Layer w5: C5.2@2079.41,3951.61 Y1.3@2079.41,4043.31 2079.41,4047.24 2100.53,4068.37 2104.47,4068.37 2114.45,4078.35 IC1.24@2175.16,4078.35
NetC6_2: C6.2 IC2.24 Y2.3 | length 204.3
  Top Layer w5: C6.2@4234.92,3949.37 Y2.3@4234.92,4041.06 4234.92,4045 4256.04,4066.12 4259.98,4066.12 4269.96,4076.1 IC2.24@4330.67,4076.1
NetC7_2: C7.2 IC1.25 R5.2 | length 325.1
  Top Layer w5: C7.2@2042.91,3826.61 2042.91,3871.02 2059.84,3887.95 2079.97,3887.95 2114.55,3922.53 2114.55,4043.25 2129.96,4058.66 IC1.25@2175.16,4058.66
NetC8_2: C8.2 IC2.25 R6.2 | length 325.1
  Top Layer w5: C8.2@4198.43,3824.37 4198.43,3868.78 4215.35,3885.7 4235.48,3885.7 4270.06,3920.28 4270.06,4041 4285.47,4056.42 IC2.25@4330.67,4056.42
NetC9_2: C9.2 IC1.71 | length 135.3
  Top Layer w5: IC1.71@2922.91,3764.06 IC1.71@2922.72,3763.86 2922.72,3711.81 2932.91,3701.61 C9.2@3001.42,3701.61
NetC10_2: C10.2 IC2.71 | length 135
  Top Layer w5: IC2.71@5078.23,3761.61 5078.23,3709.57 5088.43,3699.37 C10.2@5156.93,3699.37
NetH1_1: H1.1 R3.2
NetH1_2: H1.2 R4.2
NetH1_3: H1.3 R8.2
NetH1_4: H1.4 R11.1
NetIC1_136: IC1.136
NetIC1_138: IC1.138 R1.1 | length 77.8
  Top Layer w5: IC1.138@2371.54,4609.37 2371.54,4685.24 R1.1@2372.91,4686.61
NetIC2_138: IC2.138 R2.1 | length 79.8
  Top Layer w5: IC2.138@4527.05,4607.13 4527.05,4685.75 R2.1@4527.91,4686.61
NetIC3_3: IC3.3 IC3.7 J4.1 J4.3
NetIC4_2: IC4.2 R11.2
NetIC7_1: IC7.1 J5.2 J5.4 | length 492.1
  Top Layer w5: IC7.1@3245,3281.77 3245,3299 3255.3,3309.29 3294.29,3309.29 v2(3305,3320) ; J5.4@3317.56,3034.88 J5.2@3317.56,3090 ; J5.4@3323.78,3035 3328.78,3030 v2(3360,3030)
  Mid-Layer 3 w5: v2(3305,3320) 3305,3085 v2(3360,3030)
NetIC7_2: IC7.2 IC7.3 IC7.4
NetIC8_1: IC8.1 J6.2 J6.4
PSRAM_CLK: IC3.6
PSRAM_CS: IC3.1
PSRAM_MISO: IC3.2
PSRAM_MOSI: IC3.5
SDCKE_0: IC1.29 U1.37 | length 1787.2
  Top Layer w5: IC1.29@2175.16,3979.92 v2(2253.92,3979.88) ; U1.37@2461.93,3073.39 v1@2461.93,3135.23 ; U1.37@2462.17,3073.63 v1(2462.17,3135.47) ; U1.37@2462.42,3073.38 v1@2462.42,3135.23
  Mid-Layer 3 w5: v2(2253.92,3979.88) 2253.92,3871.5 2141.46,3759.04 2141.46,2996.47 2162.2,2975.73 2446.48,2975.73 2477.91,3007.16 2477.91,3119.73 v1(2462.17,3135.47)
SDCKE_1: IC1.135 U2.37 | length 2831.6
  Top Layer w5: IC1.135@2430.59,4609.37 2430.9,4609.06 2430.9,4554.35 v2(2431.2,4554.05)
  Mid-Layer 3 w5: v2(2431.2,4554.05) 2403.64,4581.61 2379.42,4581.61 2197.91,4400.11 2197.91,4267.47 2207.91,4257.47 2207.91,4256.61 2269.3,4195.23 2269.3,3872.74 2151.46,3754.9 2151.46,3000.61 2166.14,2985.92 2426.56,2985.92 2445.56,3004.93 2445.56,3103.97 2432.91,3116.61 2432.91,3151.61 2445.56,3164.26 2445.56,3484.26 2461.68,3500.39 v1(2461.68,3596.1)
  Bottom Layer w5: U2.37@2461.93,3534.02 v1@2461.93,3595.86
SDCKE_01: IC2.29 U3.37 | length 1663.5
  Top Layer w5: IC2.29@4330.63,3977.66 v2@4409.36,3977.66 ; U3.37@4617.38,3071.14 v1@4617.38,3132.98
  Mid-Layer 3 w5: v2(4409.38,3977.64) 4409.38,3869.26 4296.91,3756.79 4296.91,2994.22 4317.65,2973.48 4601.94,2973.48 4633.37,3004.91 4633.37,3117.49 v1(4617.63,3133.23)
SDCKE_11: IC2.135 U4.37 | length 2831.6
  Top Layer w5: IC2.135@4586.04,4607.13 4586.35,4606.82 4586.35,4552.11 v2(4586.66,4551.8)
  Mid-Layer 3 w5: v2(4586.66,4551.8) 4559.09,4579.37 4534.87,4579.37 4353.37,4397.87 4353.37,4265.23 4363.37,4255.23 4363.37,4254.37 4424.75,4192.98 4424.75,3870.49 4306.91,3752.65 4306.91,2998.37 4321.6,2983.68 4582.01,2983.68 4601.01,3002.69 4601.01,3101.72 4588.37,3114.37 4588.37,3149.37 4601.01,3162.02 4601.01,3482.02 4617.14,3498.14 v1(4617.14,3593.86)
  Bottom Layer w5: U4.37@4617.38,3531.83 v1@4617.38,3593.61
SDCLK: IC1.93 U1.38 U2.38 | length 1923.2
  Top Layer w5: U1.38@2493.43,3073.39 v1@2493.43,3135.23 ; U1.38@2493.67,3073.63 v1(2493.67,3135.47) ; U1.38@2493.92,3073.38 v1@2493.92,3135.23 ; v2@2948.07,4235.83 IC1.93@3020.67,4235.83
  Mid-Layer 3 w5: v1(2493.18,3596.1) 2493.67,3595.61 2493.67,3495.47 2477.81,3479.61 2477.81,3465.56 2493.67,3449.7 v1(2493.67,3135.47)
  Bottom Layer w5: v1(2493.18,3596.1) 2493.18,3676.82 2470,3700 2470,3721.72 2515.53,3767.24 2905.16,3767.24 3012.91,3875 3012.91,4170.83 v2(2947.99,4235.75) ; U2.38@2493.43,3534.02 v1@2493.43,3595.86
SDCLK1: IC2.93 U3.38 U4.38 | length 1799.5
  Top Layer w5: U3.38@4648.88,3071.14 v1@4648.88,3132.98 ; v2@5103.52,4233.58 IC2.93@5176.12,4233.58
  Mid-Layer 3 w5: v1(4648.63,3593.86) 4649.12,3593.37 4649.12,3493.23 4633.26,3477.36 4633.26,3463.32 4649.12,3447.45 v1(4649.12,3133.23)
  Bottom Layer w5: v1@4648.39,3594.1 4648.39,3674.82 4625.21,3698 4625.21,3719.72 4670.73,3765.25 5060.36,3765.25 5168.12,3873 5168.12,4168.83 v2@5103.2,4233.75 ; U4.38@4648.63,3532.02 v1(4648.63,3593.86)
  other v2: 5103.44,4233.5
SDNCAS: IC1.132 U1.17 U2.17 | length 2947.5
  Top Layer w5: v2(2487.91,4551.61) 2488.78,4552.48 2488.78,4608.5 IC1.132@2489.65,4609.37 ; v1(2493.18,3471.93) U1.17@2493.18,3533.77 ; v1@2493.43,3472.17 U1.17@2493.43,3534.02
  Mid-Layer 3 w5: v2(2487.91,4551.61) 2487.91,4562.23 2458.53,4591.61 2375.27,4591.61 2187.91,4404.25 2187.91,3820.31 2131.46,3763.86 2131.46,2992.32 2158.06,2965.73 2450.63,2965.73 2493.29,3008.39 v1(2493.29,3011.3) 2493.18,3011.41 2493.18,3104.98 2509.3,3121.1 2509.3,3449.84 2493.18,3465.96 v1(2493.18,3471.93)
  Bottom Layer w5: v1(2493.29,3011.3) 2493.29,3073.25 U2.17@2493.43,3073.39
SDNCAS1: IC2.132 U3.17 U4.17 | length 2885.6
  Top Layer w5: v2(4643.37,4549.37) 4644.23,4550.24 4644.23,4606.26 IC2.132@4645.1,4607.13 ; v1@4648.88,3469.93 U3.17@4648.88,3531.83
  Mid-Layer 3 w5: v2(4643.37,4549.37) 4643.37,4559.98 4613.98,4589.37 4530.73,4589.37 4343.37,4402.01 4343.37,3818.07 4286.91,3761.61 4286.91,2990.08 4313.51,2963.48 4606.08,2963.48 4648.74,3006.15 v1(4648.74,3009.05) 4648.63,3009.16 4648.63,3102.74 4664.75,3118.86 4664.75,3447.6 4648.63,3463.72 v1(4648.63,3469.68)
  Bottom Layer w5: v1(4648.74,3009.05) 4648.74,3071 U4.17@4648.88,3071.14
SDNE_0: IC1.44 U1.19 | length 951.1
  Top Layer w5: IC1.44@2391.38,3763.7 v2@2391.38,3836.3 ; v1@2430.43,3472.17 U1.19@2430.43,3534.02
  Mid-Layer 3 w5: v2(2391.3,3836.38) 2416.91,3861.99 2623.65,3861.99 2642.89,3842.75 2662.26,3823.38 2662.26,3810.01 2584.92,3732.66 2462.79,3732.66 2430.19,3700.06 v1(2430.19,3471.93)
SDNE_1: U2.19 | length 2146.1
  Top Layer w5: 2410.91,4609.37 2411.74,4608.54 2411.74,4537.11 v2(2412.57,4536.28)
  Mid-Layer 3 w5: v2(2412.57,4536.28) 2349.38,4536.28 2207.91,4394.82 2207.91,4271.61 2279.3,4200.23 2279.3,3868.06 2161.46,3750.22 2161.46,3004.75 2170.29,2995.92 2414.81,2995.92 v1(2430.19,3011.3)
  Bottom Layer w5: v1@2430.43,3011.54 U2.19@2430.43,3073.39
SDNE_01: IC2.44 U3.19 | length 951.1
  Top Layer w5: IC2.44@4546.83,3761.46 v2(4546.75,3834.13) ; v1@4585.89,3469.93 U3.19@4585.89,3531.83
  Mid-Layer 3 w5: v2(4546.75,3834.13) 4572.36,3859.74 4779.1,3859.74 4798.35,3840.5 4817.72,3821.13 4817.72,3807.77 4740.37,3730.42 4618.24,3730.42 4585.64,3697.82 v1(4585.64,3469.68)
SDNE_11: IC2.136 U4.19 | length 2146.1
  Top Layer w5: IC2.136@4566.42,4607.13 4567.19,4606.3 4567.19,4534.87 v2(4568.02,4534.04)
  Mid-Layer 3 w5: v2(4568.02,4534.04) 4504.83,4534.04 4363.37,4392.57 4363.37,4269.37 4434.75,4197.98 4434.75,3865.81 4316.91,3747.97 4316.91,3002.51 4325.74,2993.68 4570.27,2993.68 v1(4585.64,3009.05)
  Bottom Layer w5: v1@4585.89,3009.3 U4.19@4585.89,3071.14
SDNRAS: IC1.49 U1.18 U2.18 | length 960.5
  Top Layer w5: v1(2461.68,3471.93) U1.18@2461.68,3533.77 ; v1@2461.93,3472.17 U1.18@2461.93,3534.02 ; v2(2489.7,3711.39) IC1.49@2489.67,3763.83
  Mid-Layer 3 w5: v1(2461.68,3012.67) 2461.68,3111.93 2445.82,3127.79 2445.82,3141.84 2461.68,3157.7 v1(2461.68,3471.93) 2461.93,3472.17 2461.93,3482.3 2477.06,3497.43 2477.06,3605.76 2489.7,3618.4 v2(2489.7,3711.39)
  Bottom Layer w5: v1(2461.68,3012.67) 2461.68,3073.14 U2.18@2461.93,3073.39
SDNRAS1: IC2.49 U3.18 U4.18 | length 898.6
  Top Layer w5: v1@4617.38,3469.93 U3.18@4617.38,3531.83 ; v2@4645.13,3709.18 IC2.49@4645.13,3761.59
  Mid-Layer 3 w5: v1(4617.14,3010.43) 4617.14,3109.68 4601.27,3125.55 4601.27,3139.6 4617.14,3155.46 v1(4617.14,3469.68) 4617.38,3469.93 4617.38,3480.06 4632.51,3495.19 4632.51,3603.51 4645.15,3616.16 v2(4645.15,3709.15)
  Bottom Layer w5: v1(4617.14,3010.43) 4617.14,3070.9 U4.18@4617.38,3071.14
SDNWE: IC1.43 U1.16 U2.16 | length 1426.5
  Top Layer w5: IC1.43@2371.54,3763.86 v2@2371.54,3816.14 ; v1@2524.92,3472.17 U1.16@2524.92,3534.02
  Mid-Layer 3 w5: v2(2371.3,3816.38) 2371.3,3840 2404.2,3872.9 2631.63,3872.9 2667.91,3836.61 2672.26,3832.26 2672.26,3805.87 2540.37,3673.97 2540.37,3487.62 v1(2524.68,3471.93) 2524.68,3465.96 2540.8,3449.84 2540.8,3121.1 2524.68,3104.98 v1(2524.68,3011.3)
  Bottom Layer w5: v1@2524.92,3011.54 U2.16@2524.92,3073.39
SDNWE1: IC2.43 U3.16 U4.16 | length 1426.5
  Top Layer w5: IC2.43@4527.05,3761.61 v2@4526.99,3813.9 ; v1@4680.37,3469.93 U3.16@4680.37,3531.83
  Mid-Layer 3 w5: v2(4526.75,3814.13) 4526.75,3837.76 4559.65,3870.65 4787.08,3870.65 4823.37,3834.37 4827.72,3830.02 4827.72,3803.62 4695.82,3671.73 4695.82,3485.37 v1(4680.13,3469.68) 4680.13,3463.72 4696.25,3447.6 4696.25,3118.86 4680.13,3102.74 v1(4680.13,3009.05)
  Bottom Layer w5: v1@4680.37,3009.3 U4.16@4680.37,3071.14
UDQM: IC1.142 R10.2 U1.39 U2.39 | length 3026.8
  Top Layer w5: IC1.142@2292.85,4609.31 2292.85,4531.67 v2(2292.91,4531.61) ; R10.2@2431.73,2961.61 2431.73,2963.58 2445.96,2977.82 2447.93,2977.82 2466.04,2995.92 2499.66,2995.92 2508.66,3004.93 2508.66,3022.13 2524.92,3038.39 U1.39@2524.92,3073.39 v1@2524.92,3135.23
  Mid-Layer 3 w5: v2(2292.91,4531.61) 2177.91,4416.61 2177.91,3826.61 2121.46,3770.16 2121.46,2988.18 2153.91,2955.73 2472.03,2955.73 2508.66,2992.36 2508.66,3103.11 2525.17,3119.61 v1(2525.17,3135.47) 2525.17,3449.7 2509.3,3465.56 2509.3,3479.61 2525.17,3495.47 2525.17,3595.61 v1(2524.68,3596.1)
  Bottom Layer w5: U2.39@2524.92,3534.02 v1@2524.92,3595.86
UDQM1: IC2.142 R12.2 U3.39 U4.39 | length 3026.8
  Top Layer w5: IC2.142@4448.31,4607.13 4448.31,4529.43 v2(4448.37,4529.37) ; R12.2@4587.19,2959.37 R12.2@4587.24,2961.34 4589.15,2961.34 4621.49,2993.68 4655.11,2993.68 4664.11,3002.69 4664.11,3019.88 4680.37,3036.14 4680.37,3071.14 v1@4680.37,3132.98
  Mid-Layer 3 w5: v2(4448.37,4529.37) 4333.37,4414.37 4333.37,3824.37 4276.91,3767.92 4276.91,2985.94 4309.37,2953.48 4627.48,2953.48 4664.11,2990.12 4664.11,3100.86 4680.62,3117.37 v1(4680.62,3133.23) 4680.62,3447.45 4664.75,3463.32 4664.75,3477.36 4680.62,3493.23 4680.62,3593.37 v1(4680.13,3593.86)
  Bottom Layer w5: U4.39@4680.37,3531.83 v1@4680.37,3593.61
UI_CLK: R4.1
UI_CS: R3.1
UI_MISO: IC4.4
UI_MOSI: R8.1
VCC: C61.2 C62.2 C63.2 C64.2 C65.2 C66.2 IC3.8 IC4.5 IC5.8 IC6.8 IC7.8 IC8.8 J4.2 J5.1 J6.1 R13.2 R14.2 R15.2 R16.2 | length 316.5
  Top Layer w5: R14.2@3110,2945 3230,2945 C65.2@3245,2960 ; IC7.8@3245,3068.23 3245,3079.82 3255.3,3090.12 J5.1@3296.22,3090.12
  Top Layer w10: C65.2@3245,2960 IC7.8@3245,3068.23
VDDA: IC1.33 IC2.33
VREF: IC1.32 IC2.32
pads on no net: IC1.2 IC1.3 IC1.4 IC1.5 IC1.6 IC1.7 IC1.8 IC1.9 IC1.18 IC1.19 IC1.20 IC1.21 IC1.22 IC1.26 IC1.27 IC1.28 IC1.34 IC1.36 IC1.37 IC1.40 IC1.41 IC1.42 IC1.45 IC1.46 IC1.47 IC1.69 IC1.70 IC1.73 IC1.74 IC1.75 IC1.76 IC1.80 IC1.81 IC1.82 IC1.87 IC1.88 IC1.91 IC1.92 IC1.95 IC1.96 IC1.97 IC1.98 IC1.100 IC1.101 IC1.102 IC1.103 IC1.104 IC1.105 IC1.109 IC1.110 IC1.112 IC1.113 IC1.116 IC1.117 IC1.118 IC1.119 IC1.122 IC1.123 IC1.124 IC1.125 IC1.126 IC1.127 IC1.128 IC1.129 IC1.133 IC1.134 IC1.137 IC1.139 IC1.140 IC1.143 IC2.1 IC2.2 IC2.3 IC2.4 IC2.5 IC2.6 IC2.7 IC2.8 IC2.9 IC2.18 IC2.19 IC2.20 IC2.21 IC2.22 IC2.26 IC2.27 IC2.28 IC2.34 IC2.35 IC2.36 IC2.37 IC2.40 IC2.41 IC2.42 IC2.45 IC2.46 IC2.47 IC2.48 IC2.69 IC2.70 IC2.73 IC2.74 IC2.75 IC2.76 IC2.80 IC2.81 IC2.82 IC2.87 IC2.88 IC2.91 IC2.92 IC2.95 IC2.96 IC2.97 IC2.98 IC2.99 IC2.100 IC2.101 IC2.102 IC2.103 IC2.104 IC2.105 IC2.109 IC2.110 IC2.111 IC2.112 IC2.113 IC2.116 IC2.117 IC2.118 IC2.119 IC2.122 IC2.123 IC2.124 IC2.125 IC2.126 IC2.127 IC2.128 IC2.129 IC2.133 IC2.134 IC2.137 IC2.139 IC2.140 IC2.143 IC6.3 IC6.5 IC8.2 IC8.3 IC8.4 IC9.1 IC9.2 IC9.3 IC9.4 IC9.5 IC9.6 IC9.7 IC9.8 IC9.9 IC9.10 IC9.11 IC9.12 IC9.13 IC9.14 IC9.15 IC9.16 IC9.17 IC9.18 IC9.19 IC9.20 IC9.21 IC9.22 IC9.23 IC9.24 IC9.25 IC9.26 IC9.27 IC9.28 IC9.29 IC9.30 IC9.31 IC9.32 IC9.33 IC9.34 IC9.35 IC9.36 IC9.37 IC9.38 IC9.39 IC9.40 IC9.41 IC9.42 IC9.43 IC9.44 IC9.45 IC9.46 IC9.47 IC9.48 IC9.49 IC9.50 IC9.51 IC9.52 IC9.53 IC9.54 IC9.55 IC9.56 IC9.57 IC9.58 IC9.59 IC9.60 IC9.61 IC9.62 IC9.63 IC9.64 IC9.65 IC9.66 IC9.67 IC9.68 IC9.69 IC9.70 IC9.71 IC9.72 IC9.73 IC9.74 IC9.75 IC9.76 IC9.77 IC9.78 IC9.79 IC9.80 IC9.81 IC9.82 IC9.83 IC9.84 IC9.85 IC9.86 IC9.87 IC9.88 IC9.89 IC9.90 IC9.91 IC9.92 IC9.93 IC9.94 IC9.95 IC9.96 IC9.97 IC9.98 IC9.99 IC9.100 IC10.1 IC10.2 IC10.3 IC10.4 IC10.5 IC10.6 IC10.7 IC10.8 IC10.9 IC10.10 IC10.11 IC10.12 IC10.13 IC10.14 IC10.15 IC10.16 IC10.17 IC10.18 IC10.19 IC10.20 IC10.21 IC10.22 IC10.23 IC10.24 IC10.25 IC10.26 IC10.27 IC10.28 IC10.29 IC10.30 IC10.31 IC10.32 IC10.33 IC10.34 IC10.35 IC10.36 IC10.37 IC10.38 IC10.39 IC10.40 IC10.41 IC10.42 IC10.43 IC10.44 IC10.45 IC10.46 IC10.47 IC10.48 IC10.49 IC10.50 IC10.51 IC10.52 IC10.53 IC10.54 IC10.55 IC10.56 IC10.57 IC10.58 IC10.59 IC10.60 IC10.61 IC10.62 IC10.63 IC10.64 IC10.65 IC10.66 IC10.67 IC10.68 IC10.69 IC10.70 IC10.71 IC10.72 IC10.73 IC10.74 IC10.75 IC10.76 IC10.77 IC10.78 IC10.79 IC10.80 IC10.81 IC10.82 IC10.83 IC10.84 IC10.85 IC10.86 IC10.87 IC10.88 IC10.89 IC10.90 IC10.91 IC10.92 IC10.93 IC10.94 IC10.95 IC10.96 IC10.97 IC10.98 IC10.99 IC10.100 J1.2 J1.4 J1.6 J1.8 J1.10 J1.12 J1.28 J1.30 J1.32 J1.34 J1.36 J1.38 J1.40 J1.42 J1.43 J1.44 J1.45 J2.1 J2.2 J2.3 J2.4 J2.5 J2.6 J2.7 J2.8 J2.9 J2.10 J2.11 J2.12 J2.13 J2.14 J2.15 J2.16 J2.17 J2.18 J2.19 J2.20 J2.21 J2.22 J2.23 J2.24 J2.25 J2.26 J2.27 J2.28 J2.29 J2.30 J2.31 J2.32 J2.33 J2.34 J2.35 J2.36 J2.37 J2.38 J2.39 J2.40 J2.41 J2.42 J2.43 J2.44 J2.45 J3.1 J3.2 J3.3 J3.4 J3.5 J3.6 J3.7 J3.8 J3.9 J3.10 J3.11 J3.12 J3.13 J3.14 J3.15 J3.16 J3.17 J3.18 J3.19 J3.20 J3.21 J3.22 J3.23 J3.24 J3.25 J3.26 J3.27 J3.28 J3.29 J3.30 J3.31 J3.32 J3.33 J3.34 J3.35 J3.36 J3.37 J3.38 J3.39 J3.40 J3.41 J3.42 J3.43 J3.44 J3.45 U1.36 U1.40 U2.36 U2.40 U3.36 U3.40 U4.36 U4.40
copper on no net: | length 139.6
  Mid-Layer 3 w5: 4787.44,3017.97 4790.67,3014.75 4790.67,2990.77 ; 4818.37,3029.37 4822.13,3025.6 4822.13,3002.79 4823.37,3001.55 4823.37,2989.37 ; 4978.37,2989.37 4979.57,2990.58 4979.57,3019.89 ; 5011.3,3026.44 5011.3,3015.51 5011.21,3015.42 5011.21,2991.52 5013.37,2989.37

## Polygon pours and split planes (outlines as drawn)
+3V3_D on Mid-Layer 3 "+3V3_D_L03_P000" (solid, remove dead copper, pour order 0): 2635.03,3137.15 2632.91,3151.61 2682.91,3151.61 2682.91,3105.74 2682.16,3104.98 2682.16,2912.37 2682.91,2911.61 2617.91,2911.61 2617.91,3103.73 2635.03,3120.85 2632.91,3122.96
+3V3_D on Mid-Layer 3 "+3V3_D_L03_P001" (solid, remove dead copper, pour order 1): 2821.89,3151.61 2871.89,3151.61 2871.89,3105.74 2871.13,3104.98 2871.13,2912.37 2871.89,2911.61 2806.89,2911.61 2806.89,3103.73 2824.01,3120.85 2821.89,3122.96
+3V3_D on Mid-Layer 3 "+3V3_D_L03_P002" (solid, remove dead copper, pour order 2): 2542.91,3606.61 2617.91,3606.61 2617.91,3493.73 2603.79,3479.61 2603.79,3465.56 2557.2,3465.56 2542.91,3479.85 2542.91,3496.61
+3V3_D on Mid-Layer 3 "+3V3_D_L03_P003" (solid, remove dead copper, pour order 3): 2772.91,3686.61 2793.02,3666.51 2793.02,3511.35 2761.27,3479.61 2761.27,3456.61 2721.71,3457.9 2729.36,3487.64 2729.36,3643.06
no net on Mid-Layer 3 "NONET_L03_P008" (solid, remove dead copper, pour order 8): 4928.37,3684.37 4948.47,3664.27 4948.47,3509.11 4916.72,3477.36 4916.72,3454.37 4877.17,3455.66 4884.81,3485.39 4884.81,3640.82
no net on Mid-Layer 3 "NONET_L03_P007" (solid, remove dead copper, pour order 7): 4698.37,3604.37 4773.37,3604.37 4773.37,3491.49 4759.24,3477.36 4759.24,3463.32 4712.65,3463.32 4698.37,3477.6 4698.37,3494.37
no net on Mid-Layer 3 "NONET_L03_P006" (solid, remove dead copper, pour order 6): 4977.34,3149.37 5027.34,3149.37 5027.34,3103.49 5026.59,3102.74 5026.59,2910.13 5027.34,2909.37 4962.34,2909.37 4962.34,3101.49 4979.46,3118.6 4977.34,3120.72
no net on Mid-Layer 3 "NONET_L03_P005" (solid, remove dead copper, pour order 5): 4790.48,3134.9 4788.37,3149.37 4838.37,3149.37 4838.37,3103.49 4837.61,3102.74 4837.61,2910.13 4838.37,2909.37 4773.37,2909.37 4773.37,3101.49 4790.48,3118.6 4788.37,3120.72
GND on Top Layer "NONET_L01_P-001" (solid, remove dead copper, pour order 9): 1970,4720 1970,2910 5360,2910 5355,2915 5355,4725
GND on Bottom Layer "GND_L04_P004" (solid, pour order 4): 1974.65,4721.57 1974.65,2910.55 5360.48,2910.55 5360.48,4721.57

## Silkscreen, mask and mechanical layers (free items; w line width, h text height)
outline:
  lines w5: 3646.42,3825 3676.42,3825 ; 3665,2910.59 3665,4721.61 ; 3665,2910.59 5357.91,2910.59 5357.91,4721.61 3665,4721.61 ; 3665,2910.59 1972.09,2910.59 1972.09,4721.61 3665,4721.61 ; 1240.16,2342.52 1417.32,5531.5 6023.62,5570.87 5708.66,2125.98 1240.16,2342.52
  text "AUDIO" at 3891,4871 h261.22
  text "GUI" at 2446,4861 h261.22